# Altium PCB Audio_Research.PcbDoc (part 2 of 4) (continued)
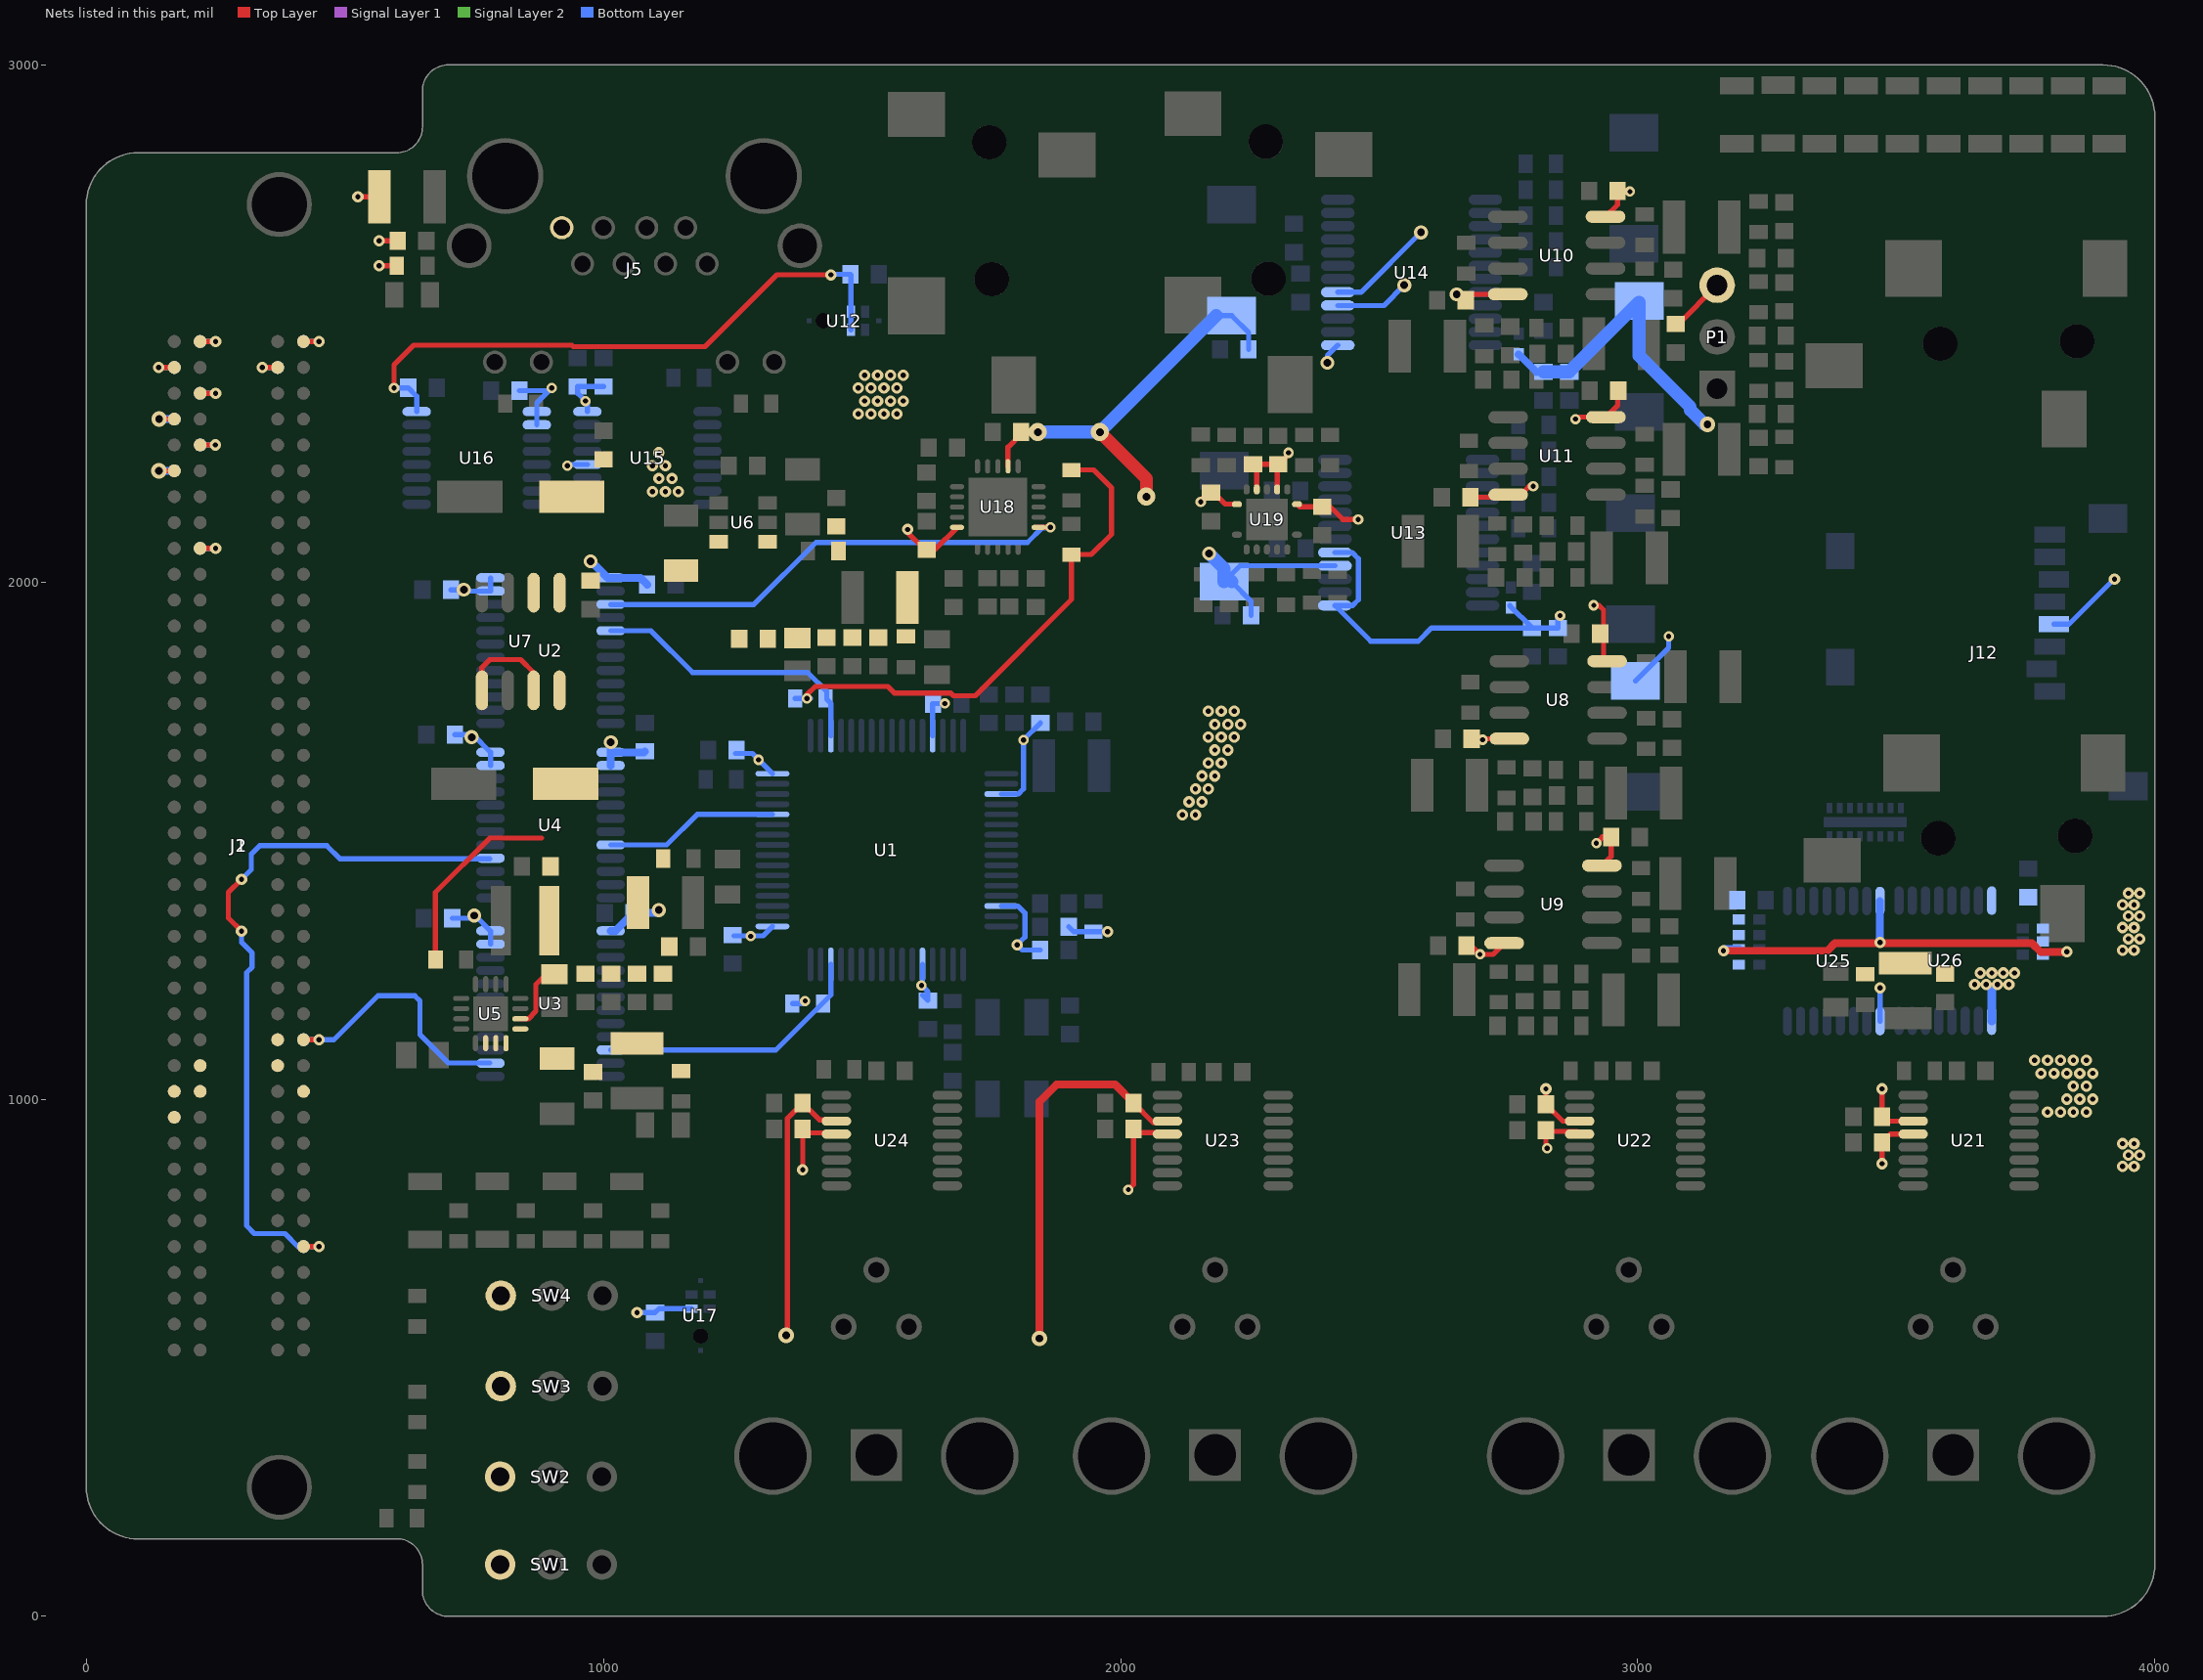
[diagram p4: the nets of this part, all layers, seen from the top]
## Part data (continued)
SW1 SW2 SW3 SW4: library part EG1218, Current Rating="200mA (DC)", Manufacturer=E-Switch, Operating Force=250gf, Operating Temperature="-20°C ~ 70°C", Supplier Part Number 1=EG1903-ND, Voltage Rating - AC=-, Voltage Rating - DC=30V, Actuator Length=2.00mm, Actuator Material=-, Actuator Type=Standard, Category=Switches, Circuit=SPDT, ComponentLink1Description=http://spec_sheets.e-switch.com/specs/P040040.pdf, ComponentLink1URL=http://spec_sheets.e-switch.com/specs/P040040.pdf, Contact Finish=Silver, Contact Material="Copper Alloy", Contact Timing="Non-Shorting (BBM)", Electrical Life=-, Features=-, LatestRevisionDate=17-Jul-2002, LatestRevisionNote="Re-released for DXP Platform.", Manufacturer Part Number=EG1218, Mechanical Life=-, Mounting Type="Through Hole", Packaging=Bulk, Part Status=Active, Pricing 1="1=0.58, 10=0.559, 25=0.5476, 50=0.4894, 100=0.466, 250=0.45436, 500=0.38446, 1000=0.3728 (USD)", Publisher="Altium Limited", RoHS="RoHS Compliant", Stock 1=22149, Supplier 1=Digi-Key, Switch Function=On-On, Switch Travel=2.50mm, Termination Style="PC Pin"
U1: "Single-chip codec that prvides 4 ADCs with differential input and 8 DACs with differential output", Manufacturer="Analog Devices Inc.", Operating Temperature="-40°C ~ 105°C", Package / Case=64-LQFP, Supplier Device Package="64-LQFP (10x10)", Supplier Part Number 1=AD1939YSTZ-ND, Voltage - Supply, Analog="3 V ~ 3.6 V", Category="Integrated Circuits (ICs)", ComponentLink1Description=http://www.analog.com/media/en/technical-documentation/data-sheets/AD1939.pdf, ComponentLink1URL=http://www.analog.com/media/en/technical-documentation/data-sheets/AD1939.pdf, Data Interface=Serial, Dynamic Range, ADCs / DACs (db) Typ="105 / 110", Manufacturer Part Number=AD1939YSTZ, Mounting Type="Surface Mount", Notes="FE Provides", Number of ADCs / DACs="4 / 8", Packaging=Tray, Pricing 1="1=15.81, 10=14.527, 100=12.269, 500=10.91416, 1000=10.01091, 2500=9.63456, 5000=9.33348 (USD)", Resolution (Bits)="24 b", RoHS="RoHS Compliant", S/N Ratio, ADCs / DACs (db) Typ="94 / 94", Sigma Delta=Yes, Stock 1=432, Supplier 1=Digi-Key, Type="General Purpose", Voltage - Supply, Digital="3 V ~ 3.6 V"
U2 U3 U4: library part SN74LVC8T245PWR, "Voltage Level Translator Bidirectional 1 Circuit 8 Channel 24-TSSOP", Case/Package=TSSOP, High Level Output Current=-32mA, Low Level Output Current=32mA, Manufacturer="Texas Instruments", Max Operating Temperature=85°C, Max Supply Voltage=5.5V, Min Operating Temperature=-40°C, Min Supply Voltage=1.65V, Operating Supply Voltage=3.3V, Package Quantity=1, Quiescent Current=15uA, Supplier Part Number 1=296-18593-6-ND, ComponentLink1Description=https://datasheet.ciiva.com/1899/sn74lvc8t245-1899395.pdf, ComponentLink1URL=https://datasheet.ciiva.com/1899/sn74lvc8t245-1899395.pdf, ComponentLink2Description=https://datasheet.ciiva.com/34301/1048559-34301923.pdf, ComponentLink2URL=https://datasheet.ciiva.com/34301/1048559-34301923.pdf, ComponentLink3Description=https://datasheet.ciiva.com/1899/sn74lvc8t245-1899396.pdf, ComponentLink3URL=https://datasheet.ciiva.com/1899/sn74lvc8t245-1899396.pdf, ComponentLink4Description=https://datasheet.ciiva.com/1899/sn74lvc8t245-1899397.pdf, ComponentLink4URL=https://datasheet.ciiva.com/1899/sn74lvc8t245-1899397.pdf, ComponentLink5Description=https://datasheet.ciiva.com/7795/1763937-7795013.pdf, ComponentLink5URL=https://datasheet.ciiva.com/7795/1763937-7795013.pdf, ComponentLink6Description=https://datasheet.ciiva.com/15086/getdatasheetpartid-48801-15086005.pdf, ComponentLink6URL=https://datasheet.ciiva.com/15086/getdatasheetpartid-48801-15086005.pdf, ComponentLink7Description=https://datasheet.ciiva.com/25973/sn74lvc8t245-25973803.pdf, ComponentLink7URL=https://datasheet.ciiva.com/25973/sn74lvc8t245-25973803.pdf, ComponentLink8Description=https://datasheet.ciiva.com/46439/1831204-46439647.pdf, ComponentLink8URL=https://datasheet.ciiva.com/46439/1831204-46439647.pdf, ComponentLink9Description=https://datasheet.ciiva.com/26867/sn74lvc8t245pwr-26867745.pdf, ComponentLink9URL=https://datasheet.ciiva.com/26867/sn74lvc8t245pwr-26867745.pdf, ComponentLink10Description=https://datasheet.ciiva.com/41455/001017232-da-01-en-ic-bus-8bit-sn74lvc8t245pwr-tssop-24-tid-41455868.pdf, ComponentLink10URL=https://datasheet.ciiva.com/41455/001017232-da-01-en-ic-bus-8bit-sn74lvc8t245pwr-tssop-24-tid-41455868.pdf, Contact Plating=Gold, Data Rate=500Mbps, Direction=Bidirectional, Height=1.05mm, Lead Free="Lead Free", Length=7.9mm, Logic Function=Transceiver,Translator, Manufacturer Part Number=SN74LVC8T245PWR, Mount="Surface Mount", Number of Bits=8, Number of Channels=8, Number of Elements=1, Number of Outputs=8, Number of Pins=24, Packaging="Tape and Reel", Polarity=Non-Inverting, Pricing 1="1=1.05, 10=0.936, 100=0.7297, 500=0.6028, 1000=0.4759 (USD)", Propagation Delay=4.2ns, Radiation Hardening=No, REACH SVHC="No SVHC", Stock 1=119243, Supplier 1=Digi-Key, Turn-On Delay Time=32.2ns, Weight=0.003157oz, Width=4.5mm
U5: library part TPS62143RGTT, "Buck Switching Regulator IC Positive Fixed 5V 1 Output 2A 16-VFQFN Exposed Pad", Case/Package=VQFN, Manufacturer="Texas Instruments", Max Input Voltage=17V, Max Operating Temperature=125°C, Max Output Current=2A, Max Output Voltage=5V, Min Input Voltage=3V, Min Operating Temperature=-40°C, Package Quantity=250, Quiescent Current=17uA, Supplier Part Number 1=296-29941-6-ND, Switching Frequency=2.5MHz, ComponentLink1Description=https://datasheet.ciiva.com/2026/tps62141-2026276.pdf, ComponentLink1URL=https://datasheet.ciiva.com/2026/tps62141-2026276.pdf, ComponentLink2Description=https://datasheet.ciiva.com/26100/tps62140-26100664.pdf, ComponentLink2URL=https://datasheet.ciiva.com/26100/tps62140-26100664.pdf, ComponentLink3Description=https://datasheet.ciiva.com/28671/1781879-28671384.pdf, ComponentLink3URL=https://datasheet.ciiva.com/28671/1781879-28671384.pdf, ComponentLink4Description=https://datasheet.ciiva.com/2026/tps62140-2026283.pdf, ComponentLink4URL=https://datasheet.ciiva.com/2026/tps62140-2026283.pdf, ComponentLink5Description=https://datasheet.ciiva.com/2026/tps62140-2026284.pdf, ComponentLink5URL=https://datasheet.ciiva.com/2026/tps62140-2026284.pdf, Height=0.95mm, Lead Free="Lead Free", Length=3.15mm, Manufacturer Part Number=TPS62143RGTT, Min Output Voltage=5V, Nominal Output Voltage=5V, Number of Outputs=1, Number of Pins=16, Operating Supply Voltage=17V, Output Current=2A, Output Voltage=5V, Packaging="Tape and Reel", Pricing 1="1=2.57, 10=2.306, 100=1.8538 (USD)", Radiation Hardening=No, REACH SVHC="No SVHC", Stock 1=1958, Supplier 1=Digi-Key, Synchronous Rectifier=Yes, Width=3.15mm
U6: library part LTC1983ES6-5#TRMPBF, "IC REG SWITCHD CAP INV -5V SOT23", Current - Output=100mA, Frequency - Switching=900kHz, Manufacturer="Linear Technology", Operating Temperature="-40°C ~ 85°C", Package / Case="SOT-23-6 Thin, TSOT-23-6", Supplier Device Package=TSOT-23-6, Supplier Part Number 1=LTC1983ES6-5#TRMPBFCT-ND, Voltage - Input="2.3 V ~ 5.5 V", Voltage - Output=-5V, Category="Integrated Circuits (ICs)", ComponentLink1Description=http://www.linear.com/docs/2135, ComponentLink1URL=http://www.linear.com/docs/2135, Manufacturer Part Number=LTC1983ES6-5#TRMPBF, Mounting Type="Surface Mount", Number of Outputs=1, Output Type=Fixed, Packaging="Cut Tape (CT)", Pricing 1="1=4.28, 25=3.8192, 100=3.4371 (USD)", PWM Type="Burst Mode®", RoHS="RoHS Compliant", Stock 1=6466, Supplier 1=Digi-Key, Synchronous Rectifier=No, Type="Switched Capacitor (Charge Pump), Inverting"
U7: "Linear Voltage Regulator IC Positive Fixed 1 Output 3.3V 200mA 8-SOIC", Current - Limit (Min)=-, Current - Output=200mA, Manufacturer="Analog Devices Inc.", Operating Temperature="-25°C ~ 125°C", Package / Case="8-SOIC (0.154\", 3.90mm Width)", Supplier Device Package=8-SOIC, Supplier Part Number 1=ADP3303ARZ-3.3-RL7CT-ND, Voltage - Dropout (Typical)="0.18V @ 200mA", Voltage - Input="Up to 12V", Voltage - Output=3.3V, Category="Integrated Circuits (ICs)", ComponentLink1Description=http://www.analog.com/media/en/technical-documentation/data-sheets/ADP3303.pdf, ComponentLink1URL=http://www.analog.com/media/en/technical-documentation/data-sheets/ADP3303.pdf, Manufacturer Part Number=ADP3303ARZ-3.3-RL7, Mounting Type="Surface Mount", Number of Regulators=1, Packaging="Cut Tape (CT)", Part Status=Active, Pricing 1="1=3.19, 10=2.867, 100=2.3517, 500=2.0007 (USD)", Regulator Topology="Positive Fixed", RoHS="RoHS Compliant", Stock 1=2012, Supplier 1=Digi-Key
U8 U9 U10 U11: "IC OPAMP GP 6.5MHZ 8SOIC", Current - Input Bias=30nA, Current - Output / Channel=40mA, Current - Supply=1.8mA, Manufacturer="Analog Devices Inc.", Operating Temperature="-40°C ~ 125°C", Package / Case="8-SOIC (0.154\", 3.90mm Width)", Supplier Device Package=8-SOIC, Supplier Part Number 1=ADA4075-2ARZ-R7CT-ND, Voltage - Input Offset=200µV, Voltage - Supply, Single/Dual (±)="±4.5 V ~ 18 V", -3db Bandwidth=-, Amplifier Type="General Purpose", Category="Integrated Circuits (ICs)", ComponentLink1Description=http://www.analog.com/media/en/technical-documentation/data-sheets/ADA4075-2.pdf, ComponentLink1URL=http://www.analog.com/media/en/technical-documentation/data-sheets/ADA4075-2.pdf, Gain Bandwidth Product=6.5MHz, Manufacturer Part Number=ADA4075-2ARZ-R7, Mounting Type="Surface Mount", Number of Circuits=2, Output Type=-, Packaging="Cut Tape (CT)", Part Status=Active, Pricing 1="1=2.28, 10=2.05, 100=1.6441, 500=1.35136 (USD)", RoHS="RoHS Compliant", Slew Rate="12 V/µs", Stock 1=11196, Supplier 1=Digi-Key
U12 U17: "45Hz ~ 20kHz Digital, PDM Microphone MEMS (Silicon) Omnidirectional (-46dB ±2dB @ 94dB SPL) Solder Pads", Current - Supply=1.6mA, Frequency Range="45Hz ~ 20kHz", Manufacturer=InvenSense, Manufacturer Part Number=INMP621ACEZ-R7, Seal Rating=None, Supplier Part Number 1=1428-1018-1-ND, Voltage - Rated=-, Voltage Range="1.62 ~ 3.63V", Category="Audio Products", ComponentLink1Description=https://www.invensense.com/wp-content/uploads/2015/02/INMP621.pdf, ComponentLink1URL=https://www.invensense.com/wp-content/uploads/2015/02/INMP621.pdf, Direction=Omnidirectional, Height (Max)=1.10mm, Impedance=-, Output Type="Digital, PDM", Packaging="Cut Tape (CT)", Part Status=Active, Port Location=Bottom, Pricing 1="1=2.88, 10=2.491, 25=2.2292, 50=1.9668, 100=1.9012, 250=1.83568, 500=1.77012 (USD)", RoHS="RoHS Compliant", S/N Ratio=65dB, Sensitivity="-46dB ±2dB @ 94dB SPL", Shape=Rectangular, Size / Dimension="4.00mm L x 3.00mm W", Stock 1=1211, Supplier 1=Digi-Key, Termination="Solder Pads", Type="MEMS (Silicon)"
U13 U14: library part PGA2505IDB, "IC DGTL CTRLR MICOPHN AMP 24SSOP", Case/Package=SSOP, Dual Supply Voltage=5V, Input Offset Voltage (Vos)=1mV, Input Voltage Noise Density="3nV/sqrt Hz", Manufacturer="Texas Instruments", Max Dual Supply Voltage=5.25V, Max Operating Temperature=85°C, Min Dual Supply Voltage=-4.75V, Min Operating Temperature=-40°C, Min Supply Voltage=4.75V, Operating Supply Current=30mA, Package Quantity=60, Supplier Part Number 1=296-24572-5-ND, ComponentLink1Description=https://datasheet.ciiva.com/1789/pga2505-1789587.pdf, ComponentLink1URL=https://datasheet.ciiva.com/1789/pga2505-1789587.pdf, ComponentLink2Description=https://datasheet.ciiva.com/2968/pga2505-2968036.pdf, ComponentLink2URL=https://datasheet.ciiva.com/2968/pga2505-2968036.pdf, ComponentLink3Description=https://datasheet.ciiva.com/15131/getdatasheetpartid-220694-15131828.pdf, ComponentLink3URL=https://datasheet.ciiva.com/15131/getdatasheetpartid-220694-15131828.pdf, ComponentLink4Description=https://datasheet.ciiva.com/26118/sbos396b-26118602.pdf, ComponentLink4URL=https://datasheet.ciiva.com/26118/sbos396b-26118602.pdf, ComponentLink5Description=https://datasheet.ciiva.com/1481/1772560-1481451.pdf, ComponentLink5URL=https://datasheet.ciiva.com/1481/1772560-1481451.pdf, ComponentLink6Description=https://datasheet.ciiva.com/26842/pga2505idb-26842003.pdf, ComponentLink6URL=https://datasheet.ciiva.com/26842/pga2505idb-26842003.pdf, Gain=60dB, Height=1.95mm, Interface=SPI, Lead Free="Lead Free", Length=8.2mm, Load Impedance=600R, Manufacturer Part Number=PGA2505IDB, Max Input Voltage=5.25V, Max Supply Voltage=5.25V, Number of Channels=1, Number of Pins=24, Operating Supply Voltage=5V, Packaging=Rail/Tube, Pricing 1="1=10.98, 10=10.088, 100=8.52, 500=7.5792, 1000=6.9519 (USD)", Quiescent Current=30mA, Radiation Hardening=No, REACH SVHC="No SVHC", Stock 1=358, Supplier 1=Digi-Key, Weight=0.007764oz, Width=5.3mm
U15: "IC LDVR/RCVR PAIR LVDS 16TSSOP", Case/Package=TSSOP, Manufacturer="TI National Semiconductor", Max Operating Temperature=85°C, Max Power Dissipation=866mW, Max Supply Current=35mA, Max Supply Voltage=3.6V, Min Operating Temperature=-40°C, Min Supply Voltage=3V, Operating Supply Voltage=3.3V, Package Quantity=92, Power Consumption=70W, Supplier Part Number 1=DS90LV049TMT-ND, ComponentLink1Description=https://datasheet.ciiva.com/12262/snls159c-70565-12262450.pdf, ComponentLink1URL=https://datasheet.ciiva.com/12262/snls159c-70565-12262450.pdf, ComponentLink2Description=https://datasheet.ciiva.com/1498/1787948-1498728.pdf, ComponentLink2URL=https://datasheet.ciiva.com/1498/1787948-1498728.pdf, ComponentLink3Description=https://datasheet.ciiva.com/15133/getdatasheetpartid-646755-15133256.pdf, ComponentLink3URL=https://datasheet.ciiva.com/15133/getdatasheetpartid-646755-15133256.pdf, ComponentLink4Description=https://datasheet.ciiva.com/3151/ds90lv049-3151691.pdf, ComponentLink4URL=https://datasheet.ciiva.com/3151/ds90lv049-3151691.pdf, ComponentLink5Description=https://datasheet.ciiva.com/26832/ds90lv049tmt-26832770.pdf, ComponentLink5URL=https://datasheet.ciiva.com/26832/ds90lv049tmt-26832770.pdf, Data Rate=400Mbps, Lead Free="Contains Lead", Logic Function=Transceiver, Manufacturer Part Number=DS90LV049TMT, Mount="Surface Mount", Number of Channels=4, Number of Drivers=2, Number of Elements=2, Number of Pins=16, Number of Receivers=2, Packaging=Rail/Tube, Power Dissipation=866mW, Pricing 1="1=4.2, 10=3.77, 100=3.0888, 500=2.62944, 1000=2.2176 (USD)", Propagation Delay=3.5ns, Radiation Hardening=No, REACH SVHC="No SVHC", Stock 1=181, Supplier 1=Digi-Key, Turn-On Delay Time=3.5ns
U16 U25 U26: library part 74AVC4T245PW,118, "Voltage Level Translator Bidirectional 2 Circuit 2 Channel 380Mbps 16-TSSOP", Case/Package=TSSOP, High Level Output Current=-12mA, Low Level Output Current=12mA, Manufacturer="NXP Semiconductors", Max Operating Temperature=125°C, Max Supply Voltage=3.6V, Min Operating Temperature=-40°C, Min Supply Voltage=800mV, Package Quantity=2500, Quiescent Current=70uA, Supplier Part Number 1=1727-6573-6-ND, ComponentLink1Description=https://datasheet.ciiva.com/1900/74avc4t245-1900214.pdf, ComponentLink1URL=https://datasheet.ciiva.com/1900/74avc4t245-1900214.pdf, ComponentLink2Description=https://datasheet.ciiva.com/1900/74avc4t245-1900215.pdf, ComponentLink2URL=https://datasheet.ciiva.com/1900/74avc4t245-1900215.pdf, ComponentLink3Description=https://datasheet.ciiva.com/1900/74avc4t245-1900216.pdf, ComponentLink3URL=https://datasheet.ciiva.com/1900/74avc4t245-1900216.pdf, ComponentLink4Description=https://datasheet.ciiva.com/15086/getdatasheetpartid-442686-15086830.pdf, ComponentLink4URL=https://datasheet.ciiva.com/15086/getdatasheetpartid-442686-15086830.pdf, Contact Plating=Gold, Data Rate=380Mbps, Lead Free="Lead Free", Logic Function=Transceiver,Translator, Manufacturer Part Number=74AVC4T245PW,118, Mount="Surface Mount", Number of Bits=4, Number of Channels=4, Number of Circuits=2, Number of Elements=2, Number of Pins=16, Packaging="Tape and Reel", Polarity=Non-Inverting, Pricing 1="1=0.9, 10=0.804, 100=0.6266, 500=0.51764, 1000=0.40866 (USD)", Propagation Delay=14.7ns, Radiation Hardening=No, Stock 1=22627, Supplier 1=Digi-Key, Turn-On Delay Time=14.5ns
U18: "Amplifier IC Headphones, 2-Channel (Stereo) Class AB 20-QFN (4x4)", Manufacturer="Texas Instruments", Max Output Power x Channels @ Load="290mW x 1 @ 16 Ohm; 138mW x 2 @ 16 Ohm", Operating Temperature="-40°C ~ 85°C (TA)", Package / Case="20-WFQFN Exposed Pad", Supplier Device Package="20-QFN (4x4)", Supplier Part Number 1=296-21656-1-ND, Voltage - Supply="2.5 V ~ 5.5 V", Category="Integrated Circuits (ICs)", ComponentLink1Description=http://www.ti.com/lit/ds/symlink/tpa6130a2.pdf, ComponentLink1URL=http://www.ti.com/lit/ds/symlink/tpa6130a2.pdf, Features="Depop, Differential Inputs, I²C, Mute, Short-Circuit and Thermal Protection, Shutdown, Volume Control", LatestRevisionDate=17-Jul-2002, LatestRevisionNote="Re-released for DXP Platform.", Manufacturer Part Number=TPA6130A2RTJR, Mounting Type="Surface Mount", Output Type="Headphones, 2-Channel (Stereo)", Packaging="Cut Tape (CT)", Part Status=Active, Pricing 1="1=2.19, 10=1.966, 100=1.5768, 500=1.296, 1000=0.9 (USD)", Publisher="Altium Limited", RoHS="RoHS Compliant", Stock 1=15763, Supplier 1=Digi-Key, Type="Class AB"
U19: "Amplifier IC Headphones, 2-Channel (Stereo) Class AB 14-VQFN (3.5x3.5)", Manufacturer="Texas Instruments", Max Output Power x Channels @ Load="80mW x 2 @ 600 Ohm", Operating Temperature="-40°C ~ 85°C (TA)", Package / Case="14-VFQFN Exposed Pad", Supplier Device Package="14-VQFN (3.5x3.5)", Supplier Part Number 1=296-38029-1-ND, Voltage - Supply="10 V ~ 30 V, ±5 V ~ 15 V", Category="Integrated Circuits (ICs)", ComponentLink1Description=http://www.ti.com/lit/ds/symlink/tpa6120a2.pdf, ComponentLink1URL=http://www.ti.com/lit/ds/symlink/tpa6120a2.pdf, Features="Differential Inputs, Short-Circuit and Thermal Protection", LatestRevisionDate=17-Jul-2002, LatestRevisionNote="Re-released for DXP Platform.", Manufacturer Part Number=TPA6120A2RGYT, Mounting Type="Surface Mount", Output Type="Headphones, 2-Channel (Stereo)", Packaging="Cut Tape (CT)", Part Status=Active, Pricing 1="1=6.04, 10=5.424, 100=4.4501 (USD)", Publisher="Altium Limited", RoHS="RoHS Compliant", Stock 1=867, Supplier 1=Digi-Key, Type="Class AB"
U20: "IC EMI FILTER 8CH 16-DFN", Attenuation Value=15dB, Capacitance=8.5pF, Case/Package=DFN, DC Resistance (DCR)=58R, Manufacturer="ON Semiconductor", Max Operating Temperature=85°C, Min Operating Temperature=-40°C, Operating Supply Voltage=5V, Package Quantity=4000, Supplier Part Number 1=NUF8610MNTXGOSCT-ND, Circuit Type=Filter, ComponentLink1Description=https://datasheet.ciiva.com/1022/nuf8610-d-1022805.pdf, ComponentLink1URL=https://datasheet.ciiva.com/1022/nuf8610-d-1022805.pdf, ComponentLink2Description=https://datasheet.ciiva.com/1022/nuf8610-d-1022806.pdf, ComponentLink2URL=https://datasheet.ciiva.com/1022/nuf8610-d-1022806.pdf, ComponentLink3Description=https://datasheet.ciiva.com/1022/nuf8610-d-1022807.pdf, ComponentLink3URL=https://datasheet.ciiva.com/1022/nuf8610-d-1022807.pdf, ComponentLink4Description=https://datasheet.ciiva.com/26019/nuf8610-d-26019159.pdf, ComponentLink4URL=https://datasheet.ciiva.com/26019/nuf8610-d-26019159.pdf, ComponentLink5Description=https://datasheet.ciiva.com/12395/nuf8610-d-116660-12395000.pdf, ComponentLink5URL=https://datasheet.ciiva.com/12395/nuf8610-d-116660-12395000.pdf, Contact Plating=Tin,Matte, Depth=1.6mm, ESD Protection=Yes, Halogen Free="Halogen Free", Height=0.039inch, Lead Free="Lead Free", Length=4mm, Manufacturer Part Number=NUF8610MNTXG, Number of Channels=8, Number of Elements=16, Number of Lines=8, Number of Pins=16, Packaging="Tape and Reel", Pricing 1="1=0.47, 10=0.441, 25=0.4204, 50=0.4068, 100=0.3933, 250=0.373, 500=0.31194, 1000=0.2421 (USD)", Radiation Hardening=No, REACH SVHC="No SVHC", Stock 1=3186, Supplier 1=Digi-Key, Termination=Flat, Voltage Rating (DC)=5V, Width=0.063inch
U21 U22 U23 U24: "Audio Amplifiers Balanced Audio Line Driver IC", Case/Package=QSOP, Manufacturer=THAT, Max Operating Temperature=85°C, Max Supply Voltage=18V, Min Operating Temperature=-40°C, Min Supply Voltage=4V, Nominal Supply Current=4.9mA, Package Quantity=98, Supplier Part Number 1=887-1606Q16-U, ComponentLink1Description=http://www.mouser.com/ds/2/407/1600data-6754.pdf, ComponentLink1URL=http://www.mouser.com/ds/2/407/1600data-6754.pdf, Manufacturer Part Number=1606Q16-U, Packaging=Rail/Tube, Pricing 1="1=4.65, 10=4.65, 50=3.91, 100=3.35, 1000=2.79, 10000=2.6 (USD)", Stock 1=3475, Supplier 1=Mouser
Y1: "12.288MHz ±10ppm Crystal 10pF 70 Ohm -10°C ~ 60°C Surface Mount 4-SMD, No Lead (DFN, LCC)", ESR (Equivalent Series Resistance)="70 Ohm", Frequency=12.288MHz, Frequency Stability=±10ppm, Load Capacitance=10pF, Manufacturer="Abracon LLC", Operating Mode=Fundamental, Operating Temperature="-10°C ~ 60°C", Package / Case="4-SMD, No Lead (DFN, LCC)", Ratings=-, Supplier Part Number 1=300-8198-1-ND, Category="Crystals and Oscillators", ComponentLink1Description=http://www.abracon.com/Resonators/abm3b.pdf, ComponentLink1URL=http://www.abracon.com/Resonators/abm3b.pdf, Frequency Tolerance=±10ppm, Height="0.043\" (1.10mm)", Manufacturer Part Number=ABM3B-12.288MHZ-10-1-U-T, Mounting Type="Surface Mount", Notes="FE Provides", Packaging="Cut Tape (CT)", Part Status=Active, Pricing 1="1=1.09, 10=0.968, 50=0.904, 100=0.8, 500=0.756 (USD)", RoHS="RoHS Compliant", Size / Dimension="0.197\" L x 0.126\" W (5.00mm x 3.20mm)", Stock 1=1220, Supplier 1=Digi-Key, Type="MHz Crystal"

## Free pads (board coordinates)
  round 125.98 hole 106.3 unplated: MNT(373.15,249.65) MNT(373.15,2729.96)

## Via types
v1: diameter 22, hole 10, Top Layer to Bottom Layer, tented both sides, 366 vias
v2: diameter 20, hole 10, Top Layer to Bottom Layer, tented both sides, 170 vias
v3: diameter 27, hole 15, Top Layer to Bottom Layer, tented both sides, 32 vias
v4: diameter 30, hole 15, Top Layer to Bottom Layer, tented both sides, 7 vias
v5: diameter 75, hole 50, Top Layer to Bottom Layer, tented both sides, 4 vias
v6: diameter 20, hole 10, Top Layer to Bottom Layer, 3 vias
v7: diameter 35, hole 15, Top Layer to Bottom Layer, tented both sides, 3 vias

## Nets (pads, with @x,y where several pads share a name; then routed paths per layer and width w, separated by ;. In a path a pad name is that pad's centre, name@x,y a point inside that pad or via, vN(x,y) a via of type N, cw(c..) or ccw(c..) an arc to the next point about the centre after c; other vN are vias at no path point)
+1V8D: C15.1 C16.1 C17.1 C39.2 C40.2 C115.1 C116.2 C117.1 J1.G39 J1.H40 J2.G39 J2.H40 R10.2 SW1.1 SW2.1 SW3.1 SW4.1 U2.23 U2.24 U3.23 U3.24 U4.23 U4.24 U12.2 U12.4 U16.16 U17.4 U25.1 U26.1 | length 1901.1
  Top Layer w10: v1(340,2415) J1.G39@370,2415 ; J1.H40@420,2465 v1(449.76,2465) ; v2(595,2375) 595,2420 632.91,2457.91 938.8,2457.91 941.72,2455 1196.22,2455 1335.17,2593.95 v1(1440,2593.95)
  Signal Layer 2 w10: v3(745,1700) v3@750,1705
  Bottom Layer w10: v1(340,2415) J2.G39@370,2415 ; J2.H40@420,2465 v1(449.76,2465) ; v2(595,2375) 595.47,2375.47 C115.1@622.44,2375.47 638.86,2359.06 U16.16@638.86,2329.57 ; C15.1@705.12,1985 738.11,1985 v3(730,1985) 732.51,1982.49 U2.23@781.6,1982.49 U2.24@781.6,2008.08 ; C17.1@707.56,1350 747.04,1350 752.04,1355 U3.24@781.6,1325.43 U3.23@781.6,1299.84 ; C16.1@712.56,1705 v3@747.35,1705 ; v3(745,1700) 745,1702.65 v3@747.35,1705 ; U4.23@781.6,1645.16 U4.24@781.6,1670.75 v3@747.35,1705 ; v1(1065,587.56) C117.1@1100,587.56 1107.44,595 U17.4@1170,595 ; v1(1440,2593.95) 1441.06,2595 C116.2@1477.44,2595 1478.5,2593.95 U12.4@1478.5,2522.72 U12.2@1478.5,2487.28 ; U25.1@3468.66,1150.86 v1(3468.66,1215)
  Bottom Layer w17: U26.1@3684.57,1151.65 3684.57,1215
  other v1: 3937.83,870 3959.83,870 3948.83,892 3970.83,892 3937.83,914 3959.83,914 3651.83,1222 3673.83,1222 3695.83,1222 3717.83,1222 3662.83,1244 3684.83,1244 3706.83,1244 3728.83,1244
  other v3: 750,1355
+3V3A: C4.1 C7.1 C8.2 C11.1 C12.1 C45.1 C46.1 C47.1 R2.1 U1.5 U1.45 U1.51 U1.62 U7.1 U7.2 | length 610.4
  Bottom Layer w10: C12.1@1616.96,1201.16 C12.1@1627.28,1190.84 1627.28,1207.72 v2(1615,1220) 1616.96,1221.96 U1.5@1616.96,1260.46 ; U1.45@1636.64,1702.96 1636.64,1764.2 C11.1@1637.44,1765 v2(1660,1765) ; U1.62@1769.31,1373.45 1801.56,1373.45 1815,1360 1815,1313.55 v1(1799.8,1298.36) 1809.88,1288.28 C7.1@1844.72,1288.28 ; U1.51@1769.31,1589.98 1802.04,1589.98 1812.06,1600 v2(1812.06,1694.5) C8.2@1845,1727.44 ; C4.1@1899.84,1333.28 1909.37,1323.75 R2.1@1947.28,1323.75 v1(1975,1323.75)
  other v1: 1094.83,2175 1119.83,2175 1144.83,2175 1107.33,2200 1132.33,2200 1094.83,2225 1119.83,2225 1107.33,2250
+3V3D: C13.2 C14.1 C18.1 C19.1 C20.1 C37.2 C38.2 C112.1 C113.2 C114.1 C142.1 C143.1 J1.C39 J1.D32 J1.D36 J1.D38 J1.D40 J2.C39 J2.D32 J2.D36 J2.D38 J2.D40 J5.1 J12.4 R3.1 R4.1 R9.2 R64.2 R65.2 R80.2 R81.2 R82.2 R83.2 R84.2 R85.2 R86.2 U1.17 U1.32 U2.1 U3.1 U4.1 U4.2 U15.12 U15.16 U16.1 U16.2 U25.16 U26.16 | length 3196.6
  Top Layer w10: v1(140,2415) J1.C39@170,2415 ; J1.D32@220,2065 v1(250,2065) ; J1.D36@220,2265 v1(249.68,2265) ; J1.D38@220,2365 v1(250,2365) ; J1.D40@220,2465 v1(250,2465) ; v1(525,2745) C38.2@566.85,2745 ; v1(566.02,2611.46) 567.49,2611.46 R9.2@600.47,2611.46 ; v1(566.02,2660) C37.2@602.44,2660 ; v2(1393.37,1775) 1393.37,1781.93 1409.49,1798.04 1549.8,1798.04 1562.84,1785 1671.72,1785 1676.72,1780 1718.89,1780 1905,1966.11 R65.2@1905,2053.16 1943.39,2053.16 1982.72,2092.49 1982.72,2182.01 1947.99,2216.74 R64.2@1905,2216.74
  Top Layer w15: v3(1107,1365.67) v3@1107.33,1365.67 ; v1(3165.9,1287) 3367,1287 3381.5,1301.5 3467.31,1301.5 v1(3468.66,1302.84) 3470,1301.5 3762.32,1301.5 3778.82,1285 v1(3830,1285)
  Bottom Layer w10: v1(140,2415) J2.C39@170,2415 ; J2.D32@220,2065 v1(250,2065) ; J2.D36@220,2265 v1(249.68,2265) ; J2.D38@220,2365 v1(250,2365) ; J2.D40@220,2465 v1(250,2465) ; C114.1@837.56,2370 v2@895,2370 ; U16.2@871.14,2303.98 U16.1@871.14,2329.57 871.14,2346.14 v2@895,2370 ; v2(900,2375) v2@895,2370 ; v2(930,2225) 932.2,2227.2 U15.12@968.86,2227.2 ; U15.16@968.86,2329.57 968.86,2346.14 v2(965,2350) 950,2365 C113.2@950,2377.91 C112.1@1000,2377.91 ; C14.1@1252.28,1315.84 1308.57,1315.84 U1.17@1326.81,1334.07 ; C13.2@1254.84,1668.28 1287.88,1668.28 v2(1300,1656.16) U1.32@1326.81,1629.35 ; R4.1@1365.47,1185 1385,1185 v2(1390,1190) ; R3.1@1370.47,1775 1400,1775 v2(1393.37,1775) ; J12.4@3804.92,1918.54 3834.11,1918.54 3921,2005.43 v1(3922,2005.43)
  Bottom Layer w15: v3(975,2040) 976.24,2040 1008.16,2008.08 U2.1@1013.89,2008.08 1071.49,2008.08 C18.1@1084.57,1995 ; U3.1@1013.89,1325.43 1022.99,1325.43 C20.1@1057.56,1360 1101.34,1360 v3(1107,1365.67) ; U4.2@1013.89,1645.16 U4.1@1013.89,1670.75 ; v3(1014.14,1690.26) 1013.89,1690 U4.1@1013.89,1670.75 ; C19.1@1080,1672.44 1078.31,1670.75 U4.1@1013.89,1670.75 ; v1(3165.9,1287) 3168.9,1290 R81.2@3195.67,1290 ; v1(3468.66,1302.84) U25.16@3468.66,1383.14
  other v1: 3937.83,1288 3959.83,1288 3948.83,1310 3970.83,1310 3937.83,1332 3959.83,1332 3948.83,1354 3970.83,1354 3937.83,1376 3959.83,1376 3948.83,1398 3970.83,1398
  other v2: 1285,1315
+5V0A: C21.1 C22.2 C23.2 C24.1 C25.2 C26.2 C43.2 C44.2 C48.1 C49.1 C58.2 C67.2 C75.2 C81.2 C93.2 C99.2 C100.1 C108.2 C109.1 C123.2 C126.2 C128.1 C130.1 C133.1 C136.1 C139.1 FB1.1 L1.2 P1.3 R7.2 R12.2 U5.14 U6.1 U6.6 U7.5 U7.7 U7.8 U8.8 U9.8 U10.8 U11.8 U13.16 U14.16 U18.12 U19.8 U19.14 U21.12 U22.12 U23.12 U24.12 | length 3415.9
  Top Layer w10: R7.2@675.47,1270 675,1270.47 675,1400 780,1505 880,1505 ; U7.5@765,1790.51 765,1835 780,1850 840,1850 865,1825 U7.7@865,1790.51 ; U5.14@840,1155.32 854.72,1155.32 869.43,1170.02 869.43,1221.68 894.25,1246.5 C22.2@905,1246.5 ; v1(1385.28,863.55) C139.1@1385.28,935 ; C139.1@1385.28,942.5 C139.1@1385.28,935 ; U24.12@1450.43,935 C139.1@1385.28,935 ; U18.12@1782.32,2222.36 1782.32,2260.54 1808.59,2286.8 1836.8,2286.8 v7(1840,2290) ; v2(2015,825) 2025.28,835.28 C136.1@2025.28,935.14 ; C136.1@2025.28,942.5 C136.1@2025.28,935.14 ; U23.12@2090.43,930 2085.29,935.14 C136.1@2025.28,935.14 ; v2(2155,2155) 2155,2158.03 2175,2178.03 2202.56,2150.47 U19.14@2225,2150.47 ; U19.8@2341.14,2150.47 2346.14,2145.47 C128.1@2390,2145.47 2405.34,2145.47 2429.79,2121.02 v2(2459.54,2121.02) ; C67.2@2668.94,1297.01 2677.99,1297.01 v2(2695,1280) 2720.2,1280 U9.8@2741.89,1301.69 ; C81.2@2671.22,2546.34 2681.21,2556.34 U10.8@2748.86,2556.34 ; C93.2@2676.22,2163.9 2744.49,2163.9 U11.8@2749.49,2168.9 2773.9,2168.9 2790,2185 v2(2797.96,2185) ; C58.2@2680,1695 v2(2700,1695) ; v2@2697.99,1697.01 U8.8@2751.89,1697.01 ; C133.1@2822.56,940 C133.1@2822.56,937.64 ; v2(2825,905) 2822.56,907.44 C133.1@2822.56,937.64 ; U22.12@2887.72,932.5 2882.57,937.64 C133.1@2822.56,937.64 ; C75.2@3073.66,2498.9 3078.66,2498.9 P1.3@3153.66,2573.9 ; v1(3472.28,875.32) C130.1@3472.28,916.16 3488.62,932.5 U21.12@3532.72,932.5
  Top Layer w25: v7(1960,2290) 2050,2200 v7(2050,2165)
  Signal Layer 1 w10: 2449.39,2121.02 v2(2459.54,2121.02) ; v3(2650,2556.34) 2748.86,2556.34 2755.36,2549.84
  Bottom Layer w10: C109.1@2185,2515 C109.1@2215,2515 2247.56,2482.44 C108.2@2247.56,2449.88 ; C100.1@2207.57,2007.86 2231.17,2031.46 U13.16@2414.57,2031.46 ; C100.1@2215,2000.43 2252.56,1962.87 C99.2@2252.56,1935.47 ; U14.16@2420,2534.68 2509.46,2534.68 v3(2548.68,2573.9)
  Bottom Layer w25: v7(1840,2290) v7(1960,2290) C109.1@2185,2515 ; v3(2171.24,2055) 2200.14,2026.1 C100.1@2200.14,2000.43 ; C100.1@2207.57,2007.86 C100.1@2215,2000.43
  other v1: 2119.83,1550 2144.83,1550 2132.33,1575 2157.33,1575 2144.83,1600 2169.83,1600 2157.33,1625 2182.33,1625 2169.83,1650 2194.83,1650 2182.33,1675 2207.33,1675 2169.83,1700 2194.83,1700 2219.83,1700 2182.33,1725 2207.33,1725 2232.33,1725 2169.83,1750 2194.83,1750 2219.83,1750
+5V0D: C30.2 C31.2 C32.1 C41.2 C42.2 C122.1 FB1.2 R11.2 U18.20 | length 136.2
  Top Layer w10: v1(1588.15,2101.69) 1585.24,2098.79 1585,2098.79 1621.35,2062.44 C122.1@1625,2062.44 1640.71,2062.44 U18.20@1683.9,2105.63
+12V0D: C29.2 C35.2 C36.2 J1.C10 J1.C11 J1.C35 J1.C37 J1.D11 J1.D12 J1.G12 J1.G13 J1.H11 J2.C35 J2.C37 R8.2 U5.10 U5.11 U5.12 U5.13 | length 118.6
  Top Layer w10: v4(140,2215) J1.C35@170,2215 ; v4(140.71,2315) J1.C37@170,2315
  Bottom Layer w15: v4(140,2215) J2.C35@170,2215 ; v4(140.71,2315) J2.C37@170,2315
-5V0A: C28.2 C51.2 C60.2 C69.2 C84.2 C94.2 C96.2 C97.2 C103.2 C105.2 C106.2 C127.2 C129.1 C132.1 C135.1 C138.1 C141.1 R6.2 R49.1 R55.1 U8.4 U9.4 U10.4 U11.4 U13.13 U13.17 U14.13 U14.17 U19.10 U19.12 U21.11 U22.11 U23.11 U24.11 | length 3846.1
  Top Layer w10: v4(1353.37,543.37) 1355.91,545.91 1355.91,963.13 C141.1@1385.28,992.5 1417.78,960 U24.11@1450.43,960 ; C138.1@2025.28,992.5 2062.78,955 U23.11@2090.43,955 ; C127.2@2248.66,2235 C127.2@2256.22,2227.44 C127.2@2256.69,2227.44 ; C127.2@2256.22,2227.91 C127.2@2256.69,2227.44 ; U19.12@2263.39,2179.02 2263.39,2220.75 C127.2@2256.69,2227.44 ; U19.10@2302.76,2179.02 2302.76,2225.67 C129.1@2304.53,2227.44 ; C129.1@2305,2227.91 C129.1@2304.53,2227.44 ; v2(2325,2250) 2325,2247.44 C129.1@2305,2227.44 C129.1@2304.53,2227.44 ; v1@2822.56,1025 v1(2822.56,1020) C135.1@2822.56,990 2855.06,957.5 U22.11@2887.72,957.5 ; v2(2880,2315) 2883.9,2318.9 U11.4@2938.46,2318.9 2961.54,2341.97 C84.2@2961.54,2373.58 ; v2(2915,1955) 2925,1955 2933.94,1946.06 2933.94,1853.94 U8.4@2940.87,1847.01 ; v2(2920,1495) 2932.01,1507.01 C60.2@2948.82,1507.01 2948.82,1469.65 U9.4@2930.87,1451.69 ; U10.4@2937.83,2706.34 2961.22,2729.72 C69.2@2961.22,2756.34 2983.66,2756.34 v2(2985,2755) ; v1(3472.28,1020) C132.1@3472.28,966.16 3480.93,957.5 U21.11@3532.72,957.5 ; C127.2@2256.69,2227.44 C129.1@2304.53,2227.44
  Top Layer w15: v4@1843.08,535 v4(1843.08,537.18) 1843.08,995 1876.45,1028.37 1989.41,1028.37 C138.1@2025.28,992.5
  Bottom Layer w10: v3(2400,2423.78) 2400,2437.91 U14.13@2420,2457.91 ; U13.17@2414.57,2057.05 2447.95,2057.05 2460,2045 2460,1965.83 2448.86,1954.68 U13.13@2414.57,1954.68 2483.8,1885.45 2575.76,1885.45 2601.54,1911.22 C96.2@2795.83,1911.22 ; U14.17@2420,2560.28 2465.28,2560.28 v3(2581,2676) ; R49.1@2752.8,1954.25 C96.2@2795.83,1911.22 ; C105.2@2804.09,2406.22 C105.2@2817.72,2406.22 ; v2(2850,1935) 2845.83,1930.83 C97.2@2845.83,1911.22 C96.2@2795.83,1911.22 ; C94.2@2995.83,1808.66 3060,1872.83 v2(3060,1895) ; C103.2@3002.72,2541.22 C103.2@3002.72,2543.66
  Bottom Layer w15: R55.1@2770,2440.32 C105.2@2804.09,2406.22
  Bottom Layer w25: C105.2@2817.72,2406.22 C106.2@2867.72,2406.22 3002.72,2541.22 3002.72,2437.5 3101.71,2338.51 3101.71,2332.2 3128.91,2305 v4(3135,2305)
  other v1: 3792.5,975 3817.5,975 3842.5,975 3867.5,975 3830,1000 3855,1000 3880,1000 3842.5,1025 3867.5,1025 3780,1050 3805,1050 3830,1050 3855,1050 3880,1050 3767.5,1075 3792.5,1075 3817.5,1075 3842.5,1075 3867.5,1075 1492.5,2325 1517.5,2325 1542.5,2325 1567.5,2325 1505,2350 1530,2350 1555,2350 1580,2350 1492.5,2375 1517.5,2375 1542.5,2375 1567.5,2375 1505,2400 1530,2400 1555,2400 1580,2400
\CS_CODEC: R3.2 U1.35 U2.5 | length 555.3
  Bottom Layer w10: U2.5@1013.89,1905.72 1091.69,1905.72 1172.41,1825 1395,1825 1431.81,1788.19 1431.81,1773.28 1440,1765.09 1440,1703.17 U1.35@1439.79,1702.96
\HP_SD: U2.3 U18.6 | length 938.1
  Top Layer w10: U18.6@1840,2105.63 U18.6@1841.38,2105.63 v2(1864.37,2105.63)
  Bottom Layer w10: U2.3@1013.89,1956.9 1014.29,1956.5 1290.99,1956.5 1410.9,2076.42 1819.87,2076.42 1848.45,2105 1865,2105 v2(1864.37,2105.63)
\R\S\T\_\C\O\D\E\C\: R4.2 U1.14 U3.10 | length 529.1
  Bottom Layer w10: U3.10@1013.89,1095.12 1333.65,1095.12 1439.79,1201.26 U1.14@1439.79,1260.46
\R\S\T\_\C\O\D\E\C\_\F\P\G\A\: J1.H13 J2.H13 U3.14 | length 517.1
  Top Layer w10: J1.H13@420,1115 v1(450,1115)
  Bottom Layer w10: J2.H13@420,1115 v1(450,1115) 478.74,1115 563.74,1200 635,1200 645,1190 645,1125 700,1070 U3.14@780,1070
ABCLK: U1.28 U4.8 | length 337.4
  Bottom Layer w10: U4.8@1013.89,1491.61 1122.23,1491.61 1181.22,1550.61 U1.28@1326.81,1550.61
ABCLK_FPGA: J1.H5 J2.H5 U4.16 | length 1424.8
  Top Layer w10: v1(300,1325) 274.69,1350.31 274.69,1399.69 v1(300,1425) ; J1.H5@420,715 v1(449.76,715)
  Bottom Layer w10: v1(300,1325) 300,1303.28 320.52,1282.76 320.52,1255.52 310,1245 310,755 325,740 384,740 409,715 J2.H5@420,715 v1(449.76,715) ; v1(300,1425) 319,1444 319,1474 335,1490 465,1490 490,1465 U4.16@780,1465